# Altium PCB Q8_V2.4_Brd.PcbDoc
Units mil, origin at the board's own origin, x right, y up, seen from the top; angles counter-clockwise.
Board outline 4724.41 x 1358.27 mil, 2 copper layers (L1, L2), stack 62.756 mil thick; 53 components, 21 nets, 158 pads, 55 vias.
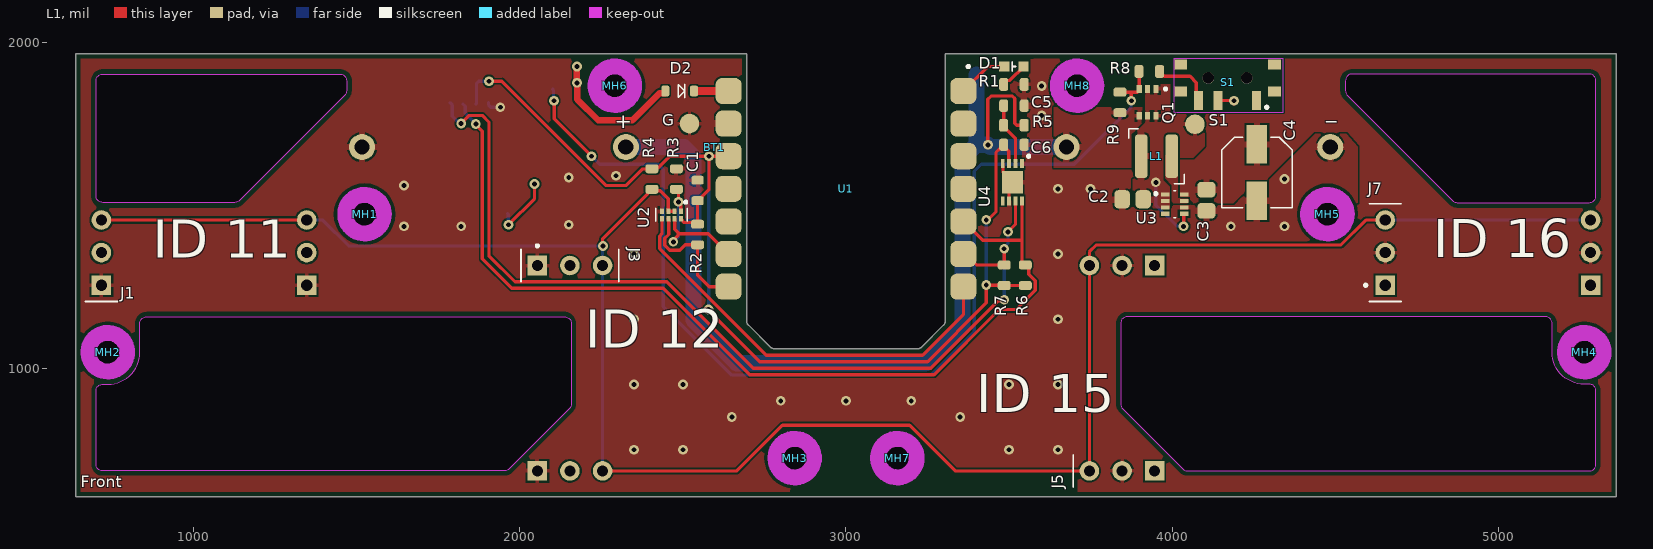
[diagram p0: L1 view]
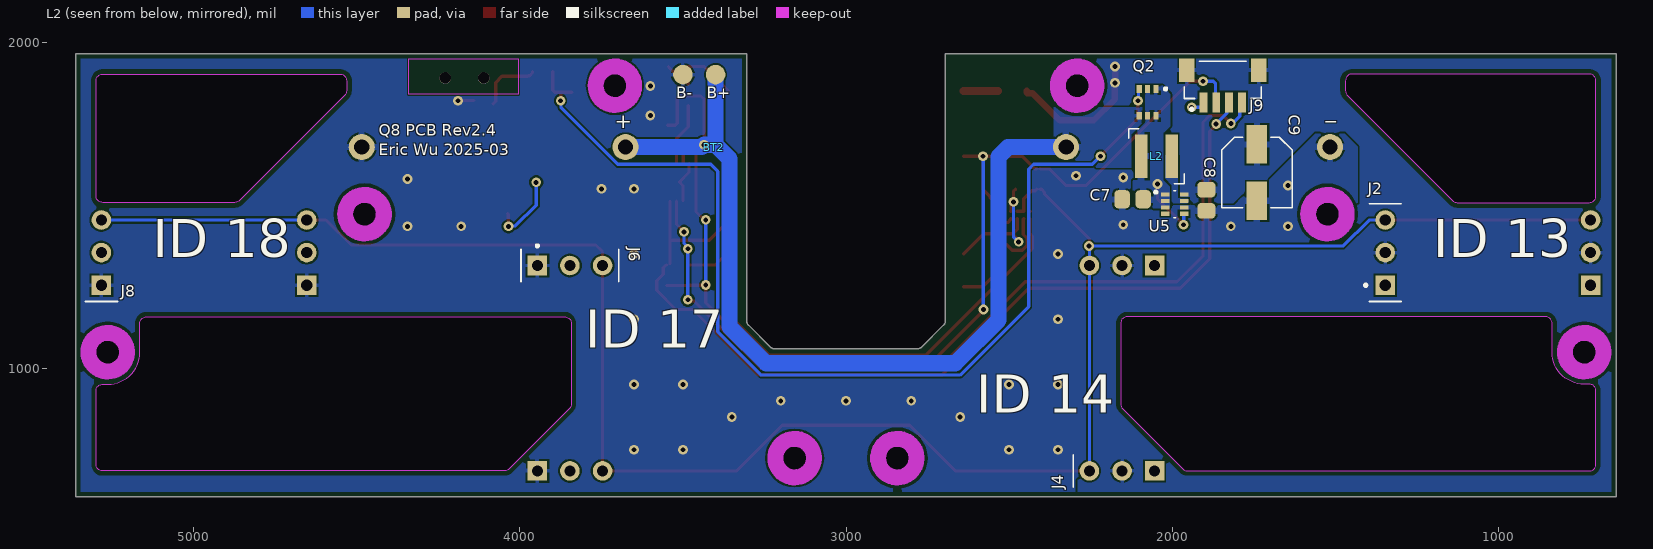
[diagram p1: L2 view, seen from below]
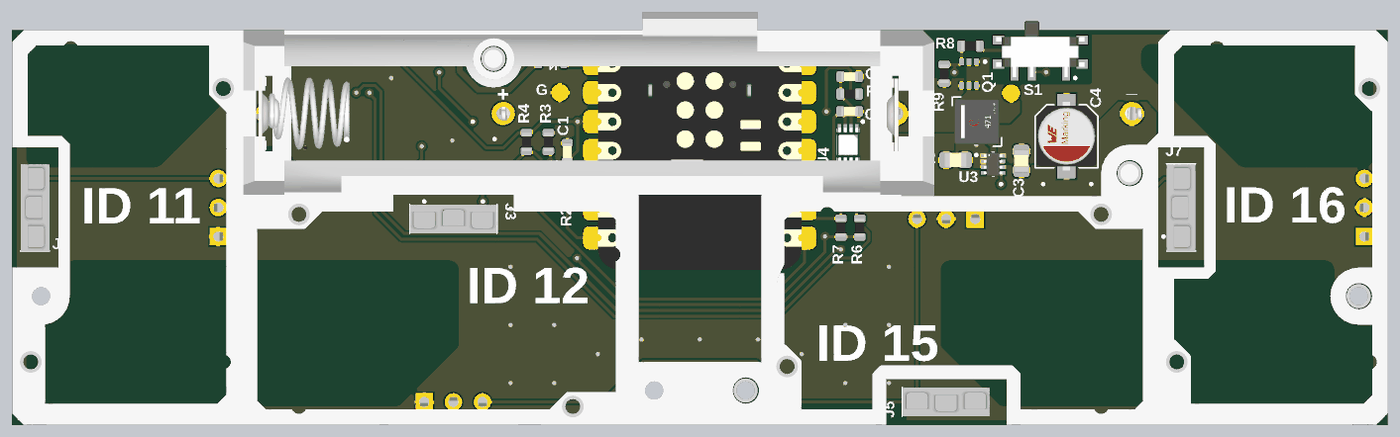
[diagram p2: 3D render of the assembled board from above, using the file's embedded part models]
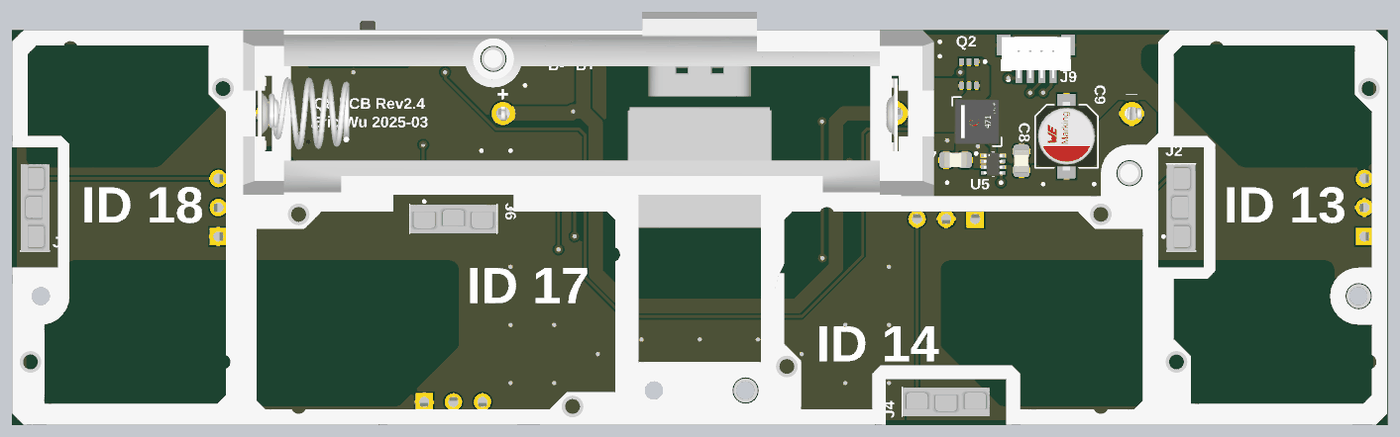
[diagram p3: 3D render of the assembled board from below, using the file's embedded part models]

## Layer stack, top to bottom
Top Solder: solder mask 0.1, Solder Resist, Dk 1
L1: signal copper 1.378
Core: dielectric 60, FR-4, Dk 4.6
L2: signal copper 1.378
Bottom Solder: solder mask 0.1, Solder Resist, Dk 1

## Board outline
637.8,606.3 637.8,1964.57 2695.04,1964.57 2695.04,1145.95 ccw(c2714.72,1145.95) 2700.8,1132.03 2767.62,1065.21 ccw(c2781.54,1079.13) 2781.54,1059.45 3218.46,1059.45 ccw(c3218.46,1079.13) 3232.38,1065.21 3299.2,1132.03 ccw(c3285.28,1145.95) 3304.96,1145.95 3304.96,1964.57 5362.2,1964.57 5362.2,606.3
cut-out: 700.79,704.72 700.79,931.1 cw(c720.47,931.1) 720.47,950.79 736.22,950.79 ccw(c736.22,1049.21) 834.65,1049.21 834.65,1137.8 cw(c854.33,1137.8) 854.33,1157.48 2137.8,1157.48 cw(c2137.8,1137.8) 2157.48,1137.8 2157.48,890.04 cw(c2137.8,890.04) 2151.71,876.12 1966.4,690.8 cw(c1952.48,704.72) 1952.48,685.04 720.47,685.04 cw(c720.47,704.72)
cut-out: 3848.29,876.12 4033.6,690.8 ccw(c4047.52,704.72) 4047.52,685.04 5279.53,685.04 ccw(c5279.53,704.72) 5299.21,704.72 5299.21,931.1 ccw(c5279.53,931.1) 5279.53,950.79 5263.78,950.79 cw(c5263.78,1049.21) 5165.35,1049.21 5165.35,1137.8 ccw(c5145.67,1137.8) 5145.67,1157.48 3862.2,1157.48 ccw(c3862.2,1137.8) 3842.52,1137.8 3842.52,890.04 ccw(c3862.2,890.04)
cut-out: 720.47,1507.87 cw(c720.47,1527.56) 700.79,1527.56 700.79,1881.89 cw(c720.47,1881.89) 720.47,1901.57 1448.82,1901.57 cw(c1448.82,1881.89) 1468.5,1881.89 1468.5,1850.67 cw(c1448.82,1850.67) 1462.74,1836.75 1139.62,1513.64 cw(c1125.7,1527.56) 1125.7,1507.87
cut-out: 4531.5,1850.67 ccw(c4551.18,1850.67) 4537.26,1836.75 4860.38,1513.64 ccw(c4874.3,1527.56) 4874.3,1507.87 5279.53,1507.87 ccw(c5279.53,1527.56) 5299.21,1527.56 5299.21,1881.89 ccw(c5279.53,1881.89) 5279.53,1901.57 4551.18,1901.57 ccw(c4551.18,1881.89) 4531.5,1881.89

## Design rules (kind name [scope] priority, off if disabled: settings)
BoardOutlineClearance [All] p1: gap=15 ignorepadtopadclearanceinfootprint=FALSE
Clearance Clearance_Polygon [InNamedPolygon('DXL_PWR_L01_P012') vs InNamedPolygon('GND_L01_P004')or InNamedPolygon('GND_L02_P007')or InNamedPolygon('GND_L02_P011')or InNamedPolygon('VBAT_L01_P002')or InNamedPolygon('V_SW_L01_P000')or InNamedPolygon('NETL1_2_L01_P001')or InComponent('BT1')or InComponent('BT2')] p1 off: gap=12 ignorepadtopadclearanceinfootprint=FALSE
Clearance MH [InComponent('MH1') or InComponent('MH2') or InComponent('MH3') or InComponent('MH4') or InComponent('MH5') or InComponent('MH6')] p2: gap=6 ignorepadtopadclearanceinfootprint=TRUE except(0: Arc-THPad Arc-Hole Track-THPad Track-Hole SMDPad-THPad SMDPad-Hole THPad-THPad THPad-Hole Via-Hole Fill-Hole Poly-Hole Region-Hole Text-Hole; 10: Arc-Fill Arc-Poly Arc-Region Track-Fill Track-Poly Track-Region SMDPad-Fill SMDPad-Poly SMDPad-Region THPad-Fill THPad-Poly THPad-Region Via-Fill Via-Poly Via-Region)
Clearance [All] p3: gap=6 ignorepadtopadclearanceinfootprint=TRUE except(0: Arc-Hole Track-Hole SMDPad-Hole THPad-Hole Via-Hole Fill-Hole Poly-Hole Region-Hole Text-Hole)
ComponentClearance TPClearance [All] p1: gap=0 collisioncheckmode=3 verticalgap=0 showdistances=FALSE
ComponentClearance BatteryHolderClearance [HasFootprint('BAT_1017')] p2: gap=0 collisioncheckmode=3 verticalgap=0 showdistances=FALSE
ComponentClearance [All] p3: gap=1 collisioncheckmode=3 verticalgap=1 showdistances=FALSE
DiffPairsRouting [All] p1: maxlimit=393.7 minlimit=6 mostfreqgap=8 substack1={5B090592-959A-4967-A4CA-3CA2C6813C9B} toplayer_{5b090592-959a-4967-a4ca-3ca2c6813c9b}_minwidth=15 toplayer_{5b090592-959a-4967-a4ca-3ca2c6813c9b}_maxwidth=15 toplayer_{5b090592-959a-4967-a4ca-3ca2c6813c9b}_prefwidth=15 bottomlayer_{5b090592-959a-4967-a4ca-3ca2c6813c9b}_minwidth=15 bottomlayer_{5b090592-959a-4967-a4ca-3ca2c6813c9b}_maxwidth=15 bottomlayer_{5b090592-959a-4967-a4ca-3ca2c6813c9b}_prefwidth=15 toplayer_minwidth=6 toplayer_maxwidth=15 toplayer_prefwidth=8 bottomlayer_minwidth=6 bottomlayer_maxwidth=15 bottomlayer_prefwidth=8 substack2={5987D7F1-27FD-464D-A34F-EA1102BFA283} toplayer_{5987d7f1-27fd-464d-a34f-ea1102bfa283}_minwidth=15 toplayer_{5987d7f1-27fd-464d-a34f-ea1102bfa283}_maxwidth=15 toplayer_{5987d7f1-27fd-464d-a34f-ea1102bfa283}_prefwidth=15 bottomlayer_{5987d7f1-27fd-464d-a34f-ea1102bfa283}_minwidth=15 bottomlayer_{5987d7f1-27fd-464d-a34f-ea1102bfa283}_maxwidth=15 bottomlayer_{5987d7f1-27fd-464d-a34f-ea1102bfa283}_prefwidth=15 maxuncoupledlength=500
HoleSize [All] p1: absolutevalues=TRUE maxlimit=265 minlimit=13 maxpercent=80.000 minpercent=20.000
HoleToHoleClearance [All] p1: gap=10 allowstackedmicrovias=FALSE
MinimumAnnularRing [All] p1: minimumring=7
MinimumSolderMaskSliver [All] p1: minsoldermaskwidth=0
PlaneClearance [All] p1: clearance=10
PlaneConnect [All] p1: planeconnectstyle=Direct reliefexpansion=16 reliefentries=4 reliefconductorwidth=6 reliefairgap=6
PolygonConnect PolygonConnect_LocalG [All vs HasFootprint('SOTFL50P160X60-8N')] p1: connectstyle=Direct reliefconductorwidth=10 reliefentries=4 polygonreliefangle="90 Angle" airgapwidth=10
PolygonConnect PolygonConnect_NoRelief [InNet('NetL1_2')or InNet('NetL2_2')] p2: connectstyle=Direct reliefconductorwidth=10 reliefentries=4 polygonreliefangle="90 Angle" airgapwidth=10
PolygonConnect PolygonConnect_HighCurrent [HasFootprint('LINK NO') or  InComponent('BT1') or InComponent('BT2') or InComponent('U1') or  InComponent('C2') or InComponent('C3') or InComponent('C4') or InComponent('C5') or InComponent('C7') or InComponent('C8') or InComponent('C9') or  InComponent('L1') or InComponent('L2')] p3: thpad.connectstyle=Relief thpad.reliefconductorwidth=20 thpad.reliefentries=4 thpad.polygonreliefangle="90 Angle" thpad.airgapwidth=6 smdpad.connectstyle=Relief smdpad.reliefconductorwidth=20 smdpad.reliefentries=4 smdpad.polygonreliefangle="90 Angle" smdpad.airgapwidth=6 via.connectstyle=Direct via.reliefconductorwidth=10 via.reliefentries=4 via.polygonreliefangle="90 Angle" via.airgapwidth=10
PolygonConnect [All] p4: thpad.connectstyle=Relief thpad.reliefconductorwidth=12 thpad.reliefentries=4 thpad.polygonreliefangle="90 Angle" thpad.airgapwidth=6 smdpad.connectstyle=Relief smdpad.reliefconductorwidth=12 smdpad.reliefentries=4 smdpad.polygonreliefangle="90 Angle" smdpad.airgapwidth=6 via.connectstyle=Direct via.reliefconductorwidth=12 via.reliefentries=4 via.polygonreliefangle="90 Angle" via.airgapwidth=6
RoutingCorners [All] p1: cornerstyle=45-Degree minsetback=49.21 maxsetback=49.21
RoutingVias [All] p1: holewidth=15 width=30 viastyle="Through Hole" minholewidth=13 minwidth=27 maxholewidth=100 maxwidth=114
SilkToSilkClearance [All] p1: silktosilkclearance=0
SilkToSolderMaskClearance [IsPad] p1: minsilkscreentomaskgap=6 clearancetoexposedcopper=TRUE
SolderMaskExpansion Tented_Vias [isVia] p1: expansion=4 istentingtop=TRUE
SolderMaskExpansion [All] p2: expansion=2.95 istentingtop=FALSE
SupplyNets "Schematic Supply Nets_7" [InNet('V_SW2')] p1: voltage=0.000
SupplyNets "Schematic Supply Nets_1" [InNet('DXL_P2')] p2: voltage=0.000
SupplyNets "Schematic Supply Nets_6" [InNet('GND')] p3: voltage=0.000
SupplyNets "Schematic Supply Nets_5" [InNet('DXL_PWR')] p4: voltage=0.000
SupplyNets "Schematic Supply Nets_4" [InNet('V_SW')] p5: voltage=0.000
SupplyNets "Schematic Supply Nets_3" [InNet('VBAT')] p6: voltage=0.000
SupplyNets "Schematic Supply Nets" [InNet('+3.3V')] p7: voltage=0.000
Width [All] p1: maxlimit=50 minlimit=6 preferedwidth=10 substack1={5B090592-959A-4967-A4CA-3CA2C6813C9B} toplayer_{5b090592-959a-4967-a4ca-3ca2c6813c9b}_maxwidth=400 toplayer_{5b090592-959a-4967-a4ca-3ca2c6813c9b}_prefwidth=8 bottomlayer_{5b090592-959a-4967-a4ca-3ca2c6813c9b}_maxwidth=400 bottomlayer_{5b090592-959a-4967-a4ca-3ca2c6813c9b}_prefwidth=8 substack2={5987D7F1-27FD-464D-A34F-EA1102BFA283} toplayer_{5987d7f1-27fd-464d-a34f-ea1102bfa283}_maxwidth=400 toplayer_{5987d7f1-27fd-464d-a34f-ea1102bfa283}_prefwidth=8 bottomlayer_{5987d7f1-27fd-464d-a34f-ea1102bfa283}_maxwidth=400 bottomlayer_{5987d7f1-27fd-464d-a34f-ea1102bfa283}_prefwidth=8
20 further rules are at their usual default settings.

## Components (designator, comment, footprint, x,y, rotation, side; value= is the part's Value field where it differs from the comment)
B+ "Test_Point" Test_Point_1.5mm 3400,1900 r180 bottom
B- "Test_Point" Test_Point_1.5mm 3500,1900 r180 bottom
BT1 "1017" BAT_1017 2596,1678 r0 top locked
BT2 "1017" BAT_1017 3405,1678 r180 bottom locked
C1 "0.1uF" CAPC1608X90N 2545,1545 r270 top
C2 "10uF" CAPC2012X145N 3879,1518 r180 top
C3 "10uF" CAPC2012X145N 4105,1515 r270 top
C4 "47uF" WCAP-ASLI_D5H5.5 4260,1600 r90 top
C5 "1uF" CAPC1608X90N 3515,1805 r0 top
C6 "1uF" CAPC1608X90N 3515,1685 r0 top value=10nF
C7 "10uF" CAPC2012X145N 2121,1518 r0 bottom
C8 "10uF" CAPC2012X145N 1895,1515 r270 bottom
C9 "47uF" WCAP-ASLI_D5H5.5 1740,1600 r90 bottom
D1 "LTST-C190KRKT" LED-LTST-C190KRKT 3515,1925 r180 top value=Red
D2 "NSR0320MW2T1G" ONSC-SOD-323-2-477-02_V 2490,1850 r180 top
G "Test_Point" Test_Point_1.5mm 2520,1750 r90 top
J1 "215297-3" TE_215297-3 716.54,1354.33 r90 top
J2 "215297-3" TE_215297-3 1346.46,1354.33 r90 bottom
J3 "215297-3" TE_215297-3 2153.54,1314.96 r0 top
J4 "215297-3" TE_215297-3 2153.54,685.04 r0 bottom
J5 "215297-3" TE_215297-3 3846.46,685.04 r180 top
J6 "215297-3" TE_215297-3 3846.46,1314.96 r180 bottom
J7 "215297-3" TE_215297-3 4653.54,1354.33 r90 top
J8 "215297-3" TE_215297-3 5283.46,1354.33 r90 bottom
J9 "BM04B-SRSS-TBT(LF)(SN)" FP-BM04B-SRSS-TBT_LF_SN-MFG 1845,1884 r180 bottom
L1 "0.47 uH" FP-XGL4020-MFG#1 3952,1650 r0 top value=0.47uH
L2 "0.47 uH" FP-XGL4020-MFG#2 2048,1650 r180 bottom value=0.47uH
MH1 "Mounting Hole" "Mounting Hole Non Plated M2 4mm Ring" 1523.62,1472.44 r0 top
MH2 "Mounting Hole" "Mounting Hole Non Plated M2 4mm Ring" 736.22,1049.21 r0 top
MH3 "Mounting Hole" "Mounting Hole Non Plated M2 4mm Ring" 2842.52,724.41 r0 top
MH4 "Mounting Hole" "Mounting Hole Non Plated M2 4mm Ring" 5263.78,1049.21 r0 top
MH5 "Mounting Hole" "Mounting Hole Non Plated M2 4mm Ring" 4476.38,1472.44 r0 top
MH6 "Mounting Hole" "Mounting Hole Non Plated M2 4mm Ring" 2291.34,1866.14 r0 top
MH7 "Mounting Hole" "Mounting Hole Non Plated M2 4mm Ring" 3157.48,724.41 r0 top
MH8 "Mounting Hole" "Mounting Hole Non Plated M2 4mm Ring" 3708.66,1866.14 r0 top
Q1 "MCH6351-TL-W" ONSC-MCPH-6_V 3925,1815 r270 top
Q2 "MCH6351-TL-W" ONSC-MCPH-6_V 2075,1815 r270 bottom
R1 "200" RESC1608X45N 3515,1870 r0 top
R2 "10K" RESC1608X45N 2545,1410 r270 top
R3 "10K" RESC1608X45N 2480,1580 r90 top
R4 "10K" RESC1608X45N 2405,1580 r270 top
R5 "1K" RESC1608X45N 3515,1745 r180 top
R6 "10K" RESC1608X45N 3550,1285 r270 top
R7 "10K" RESC1608X45N 3485,1285 r270 top
R8 "22" RESC1608X45N 3930,1910 r180 top
R9 "1K" RESC1608X45N 3840,1815 r90 top
S1 "Test_Point" Test_Point_1.5mm 4070,1748 r0 top
S1 "EG1215AA" SW_EG1215AA 4170,1890 r180 top value=0
U1 "Seeed-XIAO-ESP32C3" XIAO-ESP32C3-14P-2.54-21X17.8MM 3000,1550 r0 top
U2 "74LVC2G241GT,115" NXP_74LVC2G241GS 2465,1470 r270 top
U3 "TPS610333DRLR" SOTFL50P160X60-8N 4008,1503.16 r0 top
U4 "MAX17043G+T" FP-T823-1-MFG 3510,1570 r270 top
U5 "TPS610333DRLR" SOTFL50P160X60-8N 1992,1503.16 r180 bottom

## Footprints (in the part's own frame and the unit in brackets; to place one, negate y for a bottom-side part, rotate by r counter-clockwise, add the part's x,y. Pads: shape width x height; smd on the part's side, far side on the other; paste and mask are expansions set on the pad)
BAT_1017 [mil]
  round 80 hole 46.85: N(-1080,0) P(1080,0)
  body extent -1957,-1072 2767,351, height 611
CAPC1608X90N [mm] "Chip Capacitor, 2-Leads, Body 1.7x0.9mm, IPC Medium Density"
  rrect50% 0.7x0.95 smd: 1(-0.8,0) 2(0.8,0)
  body extent -0.8,-0.41 0.8,0.41, height 0.92
CAPC2012X145N [mil]
  rrect50% 47.47x55.44 smd paste+0: 1(-32.53,0) 2(32.53,0)
  body extent -39,-25 39,25, height 58
FP-BM04B-SRSS-TBT_LF_SN-MFG [mm]
  rect 0.6x1.55 smd paste+0 mask+0: 1(-1.5,-1.775) 2(-0.5,-1.775) 3(0.5,-1.775) 4(1.5,-1.775)
  rect 1.2x1.8 smd paste+0 mask+0: 5(-2.8,0.75) 6(2.8,0.75)
  silkscreen extent -3,-2.39 3,1.45, body extent -3,-2.15 3,1.45, height 4.33
FP-T823-1-MFG [mm]
  rect 0.7x0.3 smd paste+0 mask+0: 1(-1.45,0.75) 2(-1.45,0.25) 3(-1.45,-0.25) 4(-1.45,-0.75) 5(1.45,-0.75) 6(1.45,-0.25) 7(1.45,0.25) 8(1.45,0.75)
  rect 1.75x1.63 smd paste+0 mask+0: 9(0,0)
  silkscreen extent -2.13,1.17 -1.93,1.37, body extent -1.9,-1.12 1.9,1.12, height 0.25
FP-XGL4020-MFG#1 [mm]
  rrect50% 0.98x3.4 smd paste+0 mask+0: 1(-1.185,0) 2(1.185,0)
  silkscreen extent -2.15,-2.15 2.15,2.15, body extent -2.25,-2.25 2.25,2.25, height 0.25
FP-XGL4020-MFG#2 [mm]
  rect 0.98x3.4 smd paste+0 mask+0: 1(-1.185,0) 2(1.185,0)
  silkscreen extent -2.15,-2.15 2.15,2.15, body extent -2,-2 2,2, height 2.1
LED-LTST-C190KRKT [mm]
  rect 0.8x0.8 smd paste+0 mask+0: 1(-0.75,0) 2(0.75,0)
  silkscreen extent -0.13,-0.38 0.13,0.38, body extent -1.25,-0.55 1.25,0.55, height 0.25
"Mounting Hole Non Plated M2 4mm Ring" [mm]
  round 0 hole 2.1 unplated mask+1: 1(0,0)
  Keep-Out Layer circle w0.254: c0,0 r1.005
  Keep-Out Layer circle w0.254: c0,0 r1.204
  Keep-Out Layer circle w0.254: c0,0 r1.4
  Keep-Out Layer circle w0.254: c0,0 r1.6
  Keep-Out Layer circle w0.254: c0,0 r1.803
  Keep-Out Layer circle w0.254: c0,0 r2
NXP_74LVC2G241GS [mm]
  rect 0.43x0.31 smd: 1(-0.29,0.75)
  rect 0.42x0.31 smd: 2(-0.295,0.25) 3(-0.295,-0.25) 4(-0.295,-0.75) 5(0.295,-0.75) 6(0.295,-0.25) 7(0.295,0.25) 8(0.295,0.75)
  silkscreen extent -1.1,-1.22 0.5,1.22, body extent -0.48,-0.89 0.48,0.91, height 0.4
ONSC-MCPH-6_V [mm] "SOT23, 6-Leads, Body 2x1.6mm, Pitch 0.65mm"
  rect 0.6x0.4 smd: 1(-1.05,0.65) 2(-1.05,0) 3(-1.05,-0.65) 4(1.05,-0.65) 5(1.05,0) 6(1.05,0.65)
  silkscreen extent -1.15,1.3 -0.95,1.5, body extent -0.8,-1 0.8,1, height 0.9
ONSC-SOD-323-2-477-02_V [mm] "SOD, 2-Leads, Body 1.7x1.25mm"
  rrect50% 0.63x0.83 smd: 1(-1.115,0) 2(1.115,0)
  silkscreen extent -0.4,-0.51 -0.4,0.51, body extent -0.85,-0.63 0.85,0.63, height 1.06
RESC1608X45N [mm] "RES 0603 (1608 metric) Nominal"
  rrect50% 0.7x1 smd paste+0: 1(-0.8,0) 2(0.8,0)
  body extent -0.8,-0.4 0.8,0.4, height 0.45
SOTFL50P160X60-8N [mm]
  rect 0.66x0.32 smd mask+0.05: 1(-0.735,0.75) 2(-0.735,0.25) 3(-0.735,-0.25) 4(-0.735,-0.75) 5(0.735,-0.75) 6(0.735,-0.25) 7(0.735,0.25) 8(0.735,0.75)
  silkscreen extent -1.57,-1.05 0.09,1.05, body extent -0.8,-1.05 0.8,1.05, height 0.6
SW_EG1215AA [mm]
  rect 0.7x1.5 smd: 1(-2.25,1.75) 2(0.75,1.75) 3(2.25,1.75)
  rect 1x0.8 smd: S1(-3.65,1.05) S2(-3.65,-1.05) S3(3.65,-1.05) S4(3.65,1.05)
  round 0.9 hole 0.9 unplated: ""(-1.5,0) ""(1.5,0)
  silkscreen extent -3.15,2.19 -2.95,2.39, body extent -3.85,-2.7 3.85,2.2, height 1.4
TE_215297-3 [mil]
  rect 60x60 hole 34: 1(-100,0)
  round 60 hole 34: 2(0,0) 3(100,0)
  silkscreen extent -150,-50 -150,50, body extent -150,-50 150,50, height 276
Test_Point_1.5mm [mil]
  round 60 smd paste-99999: 1(0,0)
WCAP-ASLI_D5H5.5 [mm] "Aluminium Electrolytic V-Chip SMT Capacitors, 5x5.5mm"
  rect 3x1.6 smd: 1(2.2,0) 2(-2.2,0)
  silkscreen extent -2.75,-2.75 2.75,2.75, body extent -3,-2.65 3,2.65, height 5.5
XIAO-ESP32C3-14P-2.54-21X17.8MM [mil]
  rrect50% 80x80 smd paste-99999: 1(360,300) 2(360,200) 3(360,100) 4(360,0) 5(360,-100) 6(360,-200) 7(360,-300) 8(-360,-300) 9(-360,-200) 10(-360,-100) 11(-360,0) 12(-360,100) 13(-360,200) 14(-360,300)
  silkscreen extent 371,371 379,379, body extent -350,-410 350,475, height 49

## Part data
B+ B- G S1: library part 30099, "Test Point Generic", Sorted_Value=0, ID=30099
BT1 BT2: Package=None, Availability=Unavailable, MP=1017, Price=None
C1: library part 30006, "CAP CER 0.1uF ±10% 25V X7R 0603 (1608 Metric)", Sorted_Value=1E-6, ID=30006
C2 C3 C7 C8: library part 30012, "CAP CER 10uF ±10% 25V X7R 0805 (2012 Metric)", Sorted_Value=1E-5, ID=30012
C4 C9: library part CMP-03913-53914570-1, "865080342006 WCAP-ASLI Aluminum Electrolytic Capacitors", Capacitance=47µF, Case/Package=Radial, ESR (Equivalent Series Resistance)=832.685mΩ, Insulation Resistance=2.12766MΩ, Leakage Current=7.52µA, Max Operating Temperature=105°C, Min Operating Temperature=-55°C, Ripple Current=195mA, Tolerance=20%, Voltage Rating=16V, Diameter=5mm, Height=5.5mm, Height - Seated (Max)=5.5118mm, Impedance=1.05Ω, Length=5.5mm, Life (Hours)=2000hours, Mount="Surface Mount", NexarPartId=53914570, Packaging="Tape & Reel (TR)", Polarity=Polar, REACH SVHC=Unknown, Ripple Current (AC)=195mA, RoHS=Compliant, Voltage Rating (DC)=16V, Width=5.3mm
C5: library part 30006, "CAP CER 1uF ±10% 25V X7R 0603 (1608 Metric)", Sorted_Value=1E-6, ID=30006
C6: library part 30006, "CAP CER 10nF ±10% 25V X7R 0603 (1608 Metric)", Sorted_Value=1E-6, ID=30006
D1: library part 30031, "LED CLEAR CHIP SMD RED", Sorted_Value=0, ID=30031
D2: library part CMP-1055-00466-1, "Schottky Barrier Diode, 2-Pin SOD-323, Pb-Free, Tape and Reel", Manufacturer="On Semiconductor", ComponentLink1Description="Manufacturer URL", ComponentLink1URL=http://www.onsemi.com/, ComponentLink2Description=Datasheet, ComponentLink2URL=http://www.onsemi.cn/pub_link/Collateral/NSR0320MW2T1-D.PDF, ComponentLink3Description="Package Specification", ComponentLink3URL=http://www.onsemi.com/pub_link/Collateral/477-02.PDF.1, Configuration=Single, DatasheetVersion="Rev. 4", IFSM Max (A)=5, Mounting Technology="Surface Mount", PackageDescription="2-Pin SOD, Body 1.7 x 1.25 mm", PackageReference=SOD-323-2-477-02, PackageVersion="Rev. H, 03/2007", Packing="Tape and Reel", PartNumber=NSR0320MW2T1G, RoHS=TRUE
J9: library part CMP-17439-000370-1, "CONN HEADER SMD 4POS 1MM", Color=Natural, Flammability Rating="UL94 V-0", Package Quantity=1, Voltage Rating=50V, Connector Type=Header, Contact Finish - Mating=TIN, Contact Material="Copper Alloy", Contact Plating=Tin, Contact Shape=Square, Contact Type="Male Pin", Fastening Type=Pull, Insulation Color=Natural, Insulation Material=Nylon, Lead Free="Lead Free", Mated Stacking Heights=4.9mm, Mount="Surface Mount", Number of Positions=4, Number of Rows=1, Packaging="Cut Tape", Pitch=0.039inch, Series=SR, Termination=Solder
L1 L2: library part CMP-11268-000025-1, "Shielded Power Inductors / XGL4020-471MEC", Ambient Temperature Range High=+125°C, Ambient Temperature Range Low=-40°C, Inductance=0.47uH, Manufacturer=Coilcraft, Manufacturer Part Number=XGL4020-471MEC, Package=XGL4020, Rms Current=19.7A, Saturation Current=6.1A, Self Resonant Frequency=95MHz, Series Resistance=5.1mΩ, Test Frequency=1MHz, Tolerance=20%, Automotive=Yes, Automotive Grade="Grade 1", Category=Ind, ComponentLink2Description=Datasheet, ComponentLink2URL=https://www.coilcraft.com/pdfs/xgl4020.pdf, Composition=Wirewound, Core Material=Composite, Device Class L1="Passive Components", Device Class L2=Inductors, Device Class L3="Fixed Inductors", Height=2.1mm, Lead Free=Yes, Octopart=https://octopart.com/xgl4020-471mec-coilcraft-99681030, RoHS=TRUE, Shielding=true, Standoff Height=0.19mm
MH1 MH2 MH3 MH4 MH5 MH6 MH7 MH8: "Mounting hole, no connection"
Q1 Q2: library part CMP-1058-00608-1, "P-Channel Power MOSFET -12 V, -9 A, 16.9 mOhm, Single, 6-Pin MCPH, Pb-Free, Tape and Reel", Manufacturer="On Semiconductor", Package Type="SC-88FL / MCPH-6", Channel Polarity="P Channel", Ciss Typ (pF)=2200, ComponentLink1Description="Manufacturer URL", ComponentLink1URL=http://www.onsemi.com/, ComponentLink2Description=Datasheet, ComponentLink2URL=http://www.onsemi.com/pub_link/Collateral/ENA2198-D.PDF, ComponentLink3Description="Package Specification", ComponentLink3URL=http://www.onsemi.com/pub_link/Collateral/ENA1601-D.PDF, Configuration=Single, Coss Typ (pF)=350, Crss Typ (pF)=320, ID Max (A)=9, Mounting Technology="Surface Mount", PackageDescription="6-Pin Small Outline Transistor, Body 2 x 1.6 mm, Pitch 0.65 mm", PackageReference=MCPH-6, Packing="Tape and Reel", PartNumber=MCH6351-TL-W, PD Max (W)=1.5, RoHS=Pb-Free, V(BR)DSS Min (V)=12, VGS Max (V)=10, VGS(th) Max (V)=1.3
R1 R5 R9: library part 30002, "RES 1K Ohm ±1% 1/10W 0603 (1608 Metric)", Sorted_Value=1000, ID=30002
R2 R3 R4 R6 R7: library part 30002, "RES 10K Ohm ±1% 1/10W 0603 (1608 Metric)", Sorted_Value=1000, ID=30002
R8: library part 30002, "RES 22 Ohm ±1% 1/10W 0603 (1608 Metric)", Sorted_Value=1000, ID=30002
S1: library part 30023, "SWITCH SLIDE SPDT 25mA 24V", Package=None, Sorted_Value=0, Check_prices=https://www.snapeda.com/parts/EG1215AA/E-Switch/view-part/?ref=eda, ID=30023, MF=E-Switch, MP=EG1215AA, Purchase-URL=https://pricing.snapeda.com/search/part/EG1215AA/?ref=eda, SnapEDA_Link=https://www.snapeda.com/parts/EG1215AA/E-Switch/view-part/?ref=snap
U1: "- ESP32-C3 Transceiver; 802.11 a/b/g/n (Wi-Fi, WiFi, WLAN), BluetoothÂ® Smart 4.x Low Energy (BLE) 2.4GHz Evaluation Board", Package=None, Availability="In Stock", Check_prices=https://www.snapeda.com/parts/113991054/Seeed+Technology+Co.%252C+Ltd/view-part/?ref=eda, MF="Seeed Technology Co., Ltd", MP=113991054, Price=None, Purchase-URL=https://pricing.snapeda.com/search/part/113991054/?ref=eda, SnapEDA_Link=https://www.snapeda.com/parts/113991054/Seeed+Technology+Co.%252C+Ltd/view-part/?ref=snap
U2: library part 30024, "IC BUFFER NON-INVERT 5.5V 8XSON", Package="XSON-8 Nexperia", Sorted_Value=0, Arrow_Electronics-Purchase-URL=https://snapeda.com/shop?store=Arrow+Electronics&id=1232762, Arrow_Europe-Purchase-URL=https://snapeda.com/shop?store=Arrow+Europe&id=1232762, Availability=Good, DigiKey-Purchase-URL=https://snapeda.com/shop?store=DigiKey&id=1232762, ID=30024, MF=Nexperia, Mouser-Purchase-URL=https://snapeda.com/shop?store=Mouser&id=1232762, MP=74LVC2G08GT,115, Price=None, SnapEDA_Link=https://www.snapeda.com/parts/74LVC2G08GT,115/Nexperia/view-part/1232762/?ref=snap
U3 U5: "IC REG BOOST ADJ 5A SOT583"
U4: library part CMP-05715-000066-1, "IC 2-WIRE FG MODEL GAUGE LO BATT", Manufacturer=Maxim, Max Supply Voltage=4.5V, Min Supply Voltage=2.5V, Nominal Supply Current=50uA, Package=T823-1, Temperature="-20°C to +70°C", Temperature Range High=+70°C, Temperature Range Low=-20°C, Automotive=No, Category=IC, ComponentLink2Description=Datasheet, ComponentLink2URL=https://datasheets.maximintegrated.com/en/ds/MAX17043-MAX17044.pdf, Device Class L1="Integrated Circuits (ICs)", Device Class L2="Power Management ICs", Device Class L3="Battery Management", Digikey Description="IC 2-WIRE FG MODEL GAUGE LO BATT", Footprint Url=https://pdfserv.maximintegrated.com/land_patterns/90-0091.PDF, Height=0.8mm, Lead Free=Yes, Manufacturer Part Number=MAX17043G+T, Mouser Description="Battery Management Over Volt Protector Ideal Diode", Number Of Cells=1, Octopart=https://octopart.com/max17043g%2Bt-maxim+integrated-43979038, RoHS=TRUE, Standoff Height=0mm

## Via types
v1: diameter 30, hole 15, L1 to L2, tented both sides, 55 vias

## Nets (pads, with @x,y where several pads share a name; then routed paths per layer and width w, separated by ;. In a path a pad name is that pad's centre, name@x,y a point inside that pad or via, vN(x,y) a via of type N, cw(c..) or ccw(c..) an arc to the next point about the centre after c; other vN are vias at no path point)
+3.3V: C1.2 C6.1 J9.2 R2.1 R4.1 R6.2 R7.2 U1.12 U2.8 U4.3 | length 3441.2
  L1 w10: v1(1905,1880) 1945,1880 2265,1560 2325,1560 2376.17,1611.17 2404.68,1611.17 R4.1 ; R4.1@2415,1611.5 2420.91,1611.5 2459.41,1650 v1(2580,1650) ; U2.8 2494.53,1456.22 2504.25,1446.5 R2.1@2545,1446.5 ; R2.1 R2.1@2545,1446.5 ; v1(2578.5,1180) 2578.5,1176.5 2735,1020 3250,1020 3430,1200 v1(3430,1255) 3430.75,1254.25 3484.25,1254.25 R7.2 R6.2 ; U1.12 v1(2580,1650) ; v1(3430,1455) 3435.41,1455 3460,1479.59 3460,1661.5 3470.97,1672.47 3474.87,1672.47 C6.1@3483.5,1681.1 ; C6.1 C6.1@3483.5,1681.1 ; U4.3 3499.25,1627.99 3499.25,1665.44 3493.39,1671.3 3493.31,1671.3 C6.1@3483.5,1681.1 ; R2.1@2545,1446.5 C1.2 2548.9,1513.5 2557.53,1522.14 2557.53,1526.04 2580,1548.5 v1(2580,1650)
  L2 w10: J9.2@1865,1810 1867.34,1812.34 1867.34,1874.14 1873.2,1880 v1(1905,1880) ; v1(2578.5,1180) 2579.25,1180.75 2579.25,1649.25 v1(2580,1650) ; v1(3430,1255) v1(3430,1455)
DXL_P2: C8.1 C9.1 D2.2 J1.2 J2.2 J3.2 J4.2 J9.5 J9.6 U5.8 | length 437.6
  L1 w20: v1(2175,1925) v1(2175,1875) 2175.96,1874.04 2175.96,1824.04 2240,1760 2345,1760 2428.66,1843.66 2443.7,1843.66 2446.1,1846.06 D2.2
DXL_PWR: C3.1 C4.1 J5.2 J6.2 J7.2 J8.2 U3.8
GND: B-.1 BT1.N BT2.N C1.1 C2.2 C3.2 C4.2 C5.2 C6.2 C7.2 C8.2 C9.2 G.1 J1.1 J2.1 J3.1 J4.1 J5.1 J6.1 J7.1 J8.1 J9.1 R1.2 R3.2 S1.2 U1.13 U2.4 U3.6 U4.1 U4.4 U4.6 U4.9 U5.6 | length 227.7
  L1 w10: U2.4@2434.67,1480.81 U2.4 ; U4.4 3481.38,1626.18 3481.38,1600.98 3510,1572.36 U4.9 3500.16,1560.16 U4.6 ; S1.2 v1@4188.9,1821.1 ; v1@4188.9,1811.1 v1@4190,1810
  L2 w10: J9.1 1904.06,1806.81 1910.87,1800 v1(1940,1800)
  other v1: 2350,750 2500,750 3500,750 3650,750 2650,850 3350,850 2800,900 3000,900 3200,900 2350,950 2500,950 3500,950 3650,950 2350,1150 3650,1150 2350,1350 3650,1350 1645,1435 1820,1435 4180,1435 4345,1435 2150,1440 3650,1550 3750,1550 1645,1560 4345,1580 2150,1585 2295,1590 3600,1775 4190,1820 3600,1865
NetC5_1: C5.1 R5.2 U4.2 | length 193
  L1 w10: C5.1 R5.2 3483.5,1740.12 3519.84,1703.78 U4.2
NetD1_1: D1.1 R1.1 | length 86
  L1 w10: R1.1 3483.5,1873.67 3492.14,1882.31 3501.84,1882.31 D1.1
NetD1_2: D1.2 U1.1 | length 156.5
  L1 w10: U1.1 3435,1925 D1.2
NetD2_1: D2.1 U1.14 | length 106.1
  L1 w25: D2.1 U1.14
NetL1_2: L1.2 U3.7
NetL2_2: L2.2 U5.7
NetQ1_3: Q1.3 Q2.3 R8.2 R9.2 | length 3227.2
  L1 w10: v1(2105,1820) 2105,1765 v1(2220,1650) ; R9.2 3873.5,1846.5 3875,1845 v1(3875,1820) ; 3875,1846.5 3893.5,1846.5 3898.96,1851.95 3898.96,1909.55 R8.2
  L2 w10: Q2.3@2100.44,1855.45 2102.8,1853.09 2102.8,1822.2 v1(2105,1820) ; v1(2220,1650) 2245,1625 2425,1625 2440,1610 2440,1189.09 2650.09,979 3259.91,979 3393.3,1112.39 3393.3,1603.3 3415,1625 3700,1625 3873.79,1798.79 3873.79,1818.79 v1(3875,1820)
NetR8_1: R8.1 S1.3 | length 197.4
  L1 w10: R8.1 3961.5,1905.12 3970.13,1896.48 3974.65,1896.48 3976.13,1895 4055,1895 4074.37,1875.63 4074.37,1818.15 S1.3@4081.42,1811.1
RXD: R2.2 U1.8 U2.6 | length 404
  L1 w10: U2.6 2456.26,1457.28 2456.26,1409.95 2444.5,1398.19 2444.5,1376.65 2459.73,1361.42 2490.36,1361.42 2507.44,1378.5 R2.2 2545,1285 2580,1250 U1.8
SCL: J9.4 R7.1 U1.6 U4.7 | length 2910.9
  L1 w10: v1(1820,1750) 1820,1750.5 1844.5,1775 1885,1775 1905,1755 1905,1345 1985,1265 2450,1265 2715,1000 3260,1000 3466.29,1206.29 3481.29,1206.29 v1(3485,1210) ; U1.6 3367.35,1350 3400.86,1316.5 R7.1 v1(3485,1366.22) ; v1(3496.8,1418.2) 3519.68,1441.09 U4.7@3519.68,1512.91
  L2 w10: J9.4 1792.76,1807.31 1792.76,1772.24 1815,1750 v1(1820,1750) ; v1(3485,1210) 3485,1371.64 3496.8,1383.43 v1(3496.8,1418.2)
SDA: J9.3 R6.1 U1.5 U4.8 | length 2936
  L1 w10: v1(1865,1749) 1865,1746.57 1885,1726.57 1885,1335 1975,1245 2440,1245 2705,980 3270,980 3470,1180 3521.48,1180 3580.69,1239.2 3580.69,1267.8 3560.77,1287.72 3560.77,1307.86 3552.14,1316.5 R6.1 ; U1.5 3360.86,1450 3418.63,1392.22 3486.01,1392.22 ; 3486.03,1392.2 3539.37,1392.2 ; R6.1@3539.37,1320.63 3539.37,1392.2 ; U4.8@3539.37,1512.91 3539.37,1392.2
  L2 w10: J9.3@1825.54,1809.46 1832.13,1802.87 1832.13,1781.87 v1(1865,1749)
TTL: J1.3 J2.3 J3.3 J4.3 J5.3 J6.3 J7.3 J8.3 R4.2 U2.2 U2.3 | length 6471.1
  L1 w10: J1.3 J2.3 ; J4.3 2665.04,685.04 2805,825 3195,825 3334.96,685.04 J5.3 J6.3 3746.46,1356.46 3767.7,1377.7 4517.7,1377.7 4594.33,1454.33 J7.3 ; v1@2253.54,1375 2253.54,1397.05 2391.48,1534.99 2391.48,1539.87 2400.12,1548.5 R4.2 ; R4.2@2415,1548.47 2419.54,1543.93 2431.07,1543.93 2455.16,1519.84 U2.3 U2.2
  L2 w10: J2.3@1350,1457.87 J2.3 1395,1454.33 ; 1395.67,1454.33 1475,1375 2253.54,1375 J3.3 J4.3 ; J7.3 J8.3
  other v1: 2255,1375
TX_EN: R3.1 U1.9 U2.1 U2.7 | length 465.6
  L1 w10: v1(2470.5,1387.42) 2470.5,1392.83 2485,1407.33 2485,1410 ; U2.7 2474.84,1425.57 2485,1415.41 2485,1410 ; R3.1 2486.5,1542 2486.5,1504.72 2493.43,1497.8 2493.43,1482.52 U2.1 ; U1.9 2577.5,1412.5 2487.5,1412.5 2485,1410
  L2 w10: v1(2470.5,1387.42) 2486.5,1403.42 v1(2486.5,1510.13)
TXD: U1.7 U2.5 | length 1298.9
  L1 w10: U2.5 2435.47,1411.79 2428.5,1404.82 2428.5,1366.77 2755.82,1039.45 3234.9,1039.45 3360,1164.55 U1.7
V_SW: C2.1 L1.1 Q1.1 Q1.2 Q1.5 Q1.6 S1.1@4070,1748 U3.1 U3.2 U3.3 U3.5 | length 221
  L1 w10: v1(4035,1435) 4035.94,1435.94 4035.94,1472.38 U3.5@4036.87,1473.31
  L2 w10: v1(3950,1570) 3950,1500 4013.79,1436.21 4033.79,1436.21 v1(4035,1435)
V_SW2: C7.1 L2.1 Q2.1 Q2.2 Q2.5 Q2.6 U5.1 U5.2 U5.3 U5.5 | length 192.6
  L1 w10: v1(1965,1440) 2045,1520 v1(2045,1565)
  L2 w10: U5.5 1964.03,1472.66 1964.03,1440.97 v1(1965,1440)
VBAT: B+.1 BT1.P BT2.P Q1.4 Q2.4 R5.1 R9.1 | length 3062.3
  L1 w10: v1(3435,1685) 3435,1825 3444.7,1834.7 3510.3,1834.7 3517.72,1827.28 3517.72,1750.86 3523.57,1745 R5.1 ; BT1.P@3670,1684 BT1.P
  L2 w50: BT2.P 2503.21,1678 2532.5,1648.71 2532.5,1147.5 2665,1015 3245,1015 3357.3,1127.3 3357.3,1642.3 3400,1685 ; B+.1 3400,1685 ; BT1.P 3442,1678 v1(3435,1685) 3400,1685
pads on no net: MH1.1 MH2.1 MH3.1 MH4.1 MH5.1 MH6.1 MH7.1 MH8.1 S1. S1.1@4258.58,1821.1 S1.S1 S1.S2 S1.S3 S1.S4 U1.2 U1.3 U1.4 U1.10 U1.11 U3.4 U4.5 U5.4

## Polygon pours and split planes (outlines as drawn)
GND on L1 "GND_L01_P048" (solid, remove dead copper, pour order 48): 620,580 620,1980 5380,1980 5380,580
DXL_PWR on L1 "DXL_PWR_L01_P047" (solid, remove dead copper, pour order 47): 5380,1980 5380,580 3710,580 3710,1980
GND on L1 "GND_L01_P038" (solid, remove dead copper, pour order 38): 3875,1491 3540,1491 3540,1535 3540,1705 3561.52,1705 3561.18,1785 3535.52,1785 3534.61,1890 3875,1890
VBAT on L1 "VBAT_L01_P037" (solid, pour order 37): 3908,1800 3908,1749.82 3875,1716.82 3875,1615 3637,1615 3637,1800
GND on L1 "GND_L01_P046" (solid, pour order 46): 4000,1500 4052,1500 4190,1500 4263,1573 4293,1573 4439,1719 4533.73,1719 4569,1679.21 4569,1450 4510,1391 4000,1391
V_SW on L1 "V_SW_L01_P035" (solid, pour order 35): 3917,1870 3995,1870 3995,1780 4100,1780 4100,1680 4065,1645 3973.18,1645 3973.18,1576.82 3992,1555.99 3992,1490 3925,1490 3879.75,1490 3879.75,1714.75 3917,1752
NetL1_2 on L1 "NETL1_2_L01_P036" (solid, pour order 36): 4049.71,1517.43 4049.71,1509.42 4046.58,1505.92 4004.08,1505.92 3998.21,1512.63 3998.21,1561.6 3979.54,1582.23 3979.54,1653.41 4017.91,1653.41 4017.91,1528.7 4026.09,1519.3 4047.84,1519.3
GND on L2 "GND_L02_P045" (solid, remove dead copper, pour order 45): 5380,1980 5380,580 620,580 620,1980
DXL_P2 on L2 "DXL_P2_L02_P044" (solid, remove dead copper, pour order 44): 620,580 620,1980 2290,1980 2290,580
VBAT on L2 "VBAT_L02_P041" (solid, pour order 41): 2092,1800 2092,1749.82 2125,1716.82 2125,1615 2363,1615 2363,1800
GND on L2 "GND_L02_P042" (solid, remove dead copper, pour order 42): 2127.01,1445 2440,1445 2440,1610 2127.01,1610
GND on L2 "GND_L02_P043" (solid, pour order 43): 2000,1500 1948,1500 1810,1500 1737,1573 1707,1573 1560.65,1719.35 1471.35,1719.35 1431,1679 1431,1450 1490,1391 2000,1391
NetL2_2 on L2 "NETL2_2_L02_P040" (solid, pour order 40): 1950.29,1517.43 1950.29,1509.42 1953.42,1505.92 1995.92,1505.92 2001.79,1512.63 2001.79,1561.6 2020.46,1582.23 2020.46,1653.41 1982.1,1653.41 1982.1,1528.7 1973.91,1519.3 1952.16,1519.3
V_SW2 on L2 "V_SW2_L02_P039" (solid, pour order 39): 2083,1870 2032.95,1870 2005,1839.78 2005,1741.82 2026.82,1720 2026.82,1576.82 2008,1555.99 2008,1490 2075,1490 2120.25,1490 2120.25,1714.75 2083,1752

## Keep-outs
L1:
  rectangle: 4005,1785 4340,1949.27
L2:
  rectangle: 4005,1840 4340,1949.27

## Silkscreen, mask and mechanical layers (free items; w line width, h text height)
Top Overlay:
  lines w5: 2486.16,1830.41 2486.16,1869.59 2505.75,1850 2486.16,1830.41
  text "ID 16" at 4800,1302.22 h200
  text "ID 11" at 875,1300 h200
  text "ID 12" at 2200,1025 h200
  text "ID 15" at 3400,827.22 h200
  text "Front" at 653.09,622.23 h60
Bottom Overlay:
  lines w5: 1963.35,1565.35 1993.35,1565.35 ; 2102.65,1734.65 2132.65,1734.65
  text "Q8 PCB Rev2.4 / Eric Wu 2025-03" at 4432.33,1640 h60
  text "ID 13" at 1200,1302.22 h200
  text "ID 18" at 5125,1302.31 h200
  text "ID 17" at 3800,1025 h200
  text "ID 14" at 2600,825 h200
Mechanical 1:
  circle w0.5: c1523.62,1472.44 r39.37
  circle w0.5: c2291.14,1866.14 r39.37
  circle w0.5: c3708.86,1866.14 r39.37
  circle w0.5: c4481.03,1678.05 r29.53
  circle w0.5: c1518.97,1678.05 r29.53
  circle w0.5: c736.22,1049.21 r39.37
  circle w0.5: c4476.38,1472.44 r39.37
  circle w0.5: c2842.52,724.41 r39.37
  circle w0.5: c5263.78,1049.21 r39.37
  circle w0.5: c3157.48,724.41 r39.37
  lines w0.5: 637.8,606.3 5362.2,606.3 5362.2,1964.57 3304.96,1964.57 3304.96,1145.95 cw(c3285.28,1145.95) 3299.19,1132.03 3232.38,1065.21 cw(c3218.46,1079.13) 3218.46,1059.45 2781.54,1059.45 cw(c2781.54,1079.13) 2767.62,1065.21 2700.8,1132.03 cw(c2714.72,1145.95) 2695.04,1145.95 2695.04,1964.57 637.8,1964.57 637.8,606.3 ; 700.79,704.72 ccw(c720.47,704.72) 720.47,685.04 1952.48,685.04 ccw(c1952.48,704.72) 1966.4,690.81 2151.71,876.12 ccw(c2137.8,890.04) 2157.48,890.04 2157.48,1137.8 ccw(c2137.8,1137.8) 2137.8,1157.48 854.33,1157.48 ccw(c854.33,1137.8) 834.65,1137.8 834.65,1049.21 cw(c736.22,1049.21) 736.22,950.79 720.47,950.79 ccw(c720.47,931.1) 700.79,931.1 700.79,704.72 ; 700.79,1527.56 ccw(c720.47,1527.56) 720.47,1507.87 1125.7,1507.87 ccw(c1125.7,1527.56) 1139.62,1513.64 1462.74,1836.75 ccw(c1448.82,1850.67) 1468.5,1850.67 1468.5,1881.89 ccw(c1448.82,1881.89) 1448.82,1901.57 720.47,1901.57 ccw(c720.47,1881.89) 700.79,1881.89 700.79,1527.56 ; 3842.52,890.04 ccw(c3862.2,890.04) 3848.29,876.12 4033.6,690.8 ccw(c4047.52,704.72) 4047.52,685.04 5279.53,685.04 ccw(c5279.53,704.72) 5299.21,704.72 5299.21,931.1 ccw(c5279.53,931.1) 5279.53,950.79 5263.78,950.79 cw(c5263.78,1049.21) 5165.35,1049.21 5165.35,1137.8 ccw(c5145.67,1137.8) 5145.67,1157.48 3862.2,1157.48 ccw(c3862.2,1137.8) 3842.52,1137.8 3842.52,890.04 ; 4531.5,1850.67 ccw(c4551.18,1850.67) 4537.26,1836.75 4860.38,1513.64 ccw(c4874.3,1527.56) 4874.3,1507.87 5279.53,1507.87 ccw(c5279.53,1527.56) 5299.21,1527.56 5299.21,1881.89 ccw(c5279.53,1881.89) 5279.53,1901.57 4551.18,1901.57 ccw(c4551.18,1881.89) 4531.5,1881.89 4531.5,1850.67
Mechanical 2:
  circle w0.5: c5263.78,1049.21 r39.37
  circle w0.5: c5283.46,1354.33 r10.08
  circle w0.5: c4653.54,1354.33 r10.08
  circle w0.5: c1933.07,1700.79 r10.08
  circle w0.5: c4419.29,1728.35 r10.08
  circle w0.5: c3846.46,1314.96 r10.08
  circle w0.5: c3846.46,685.04 r10.08
  circle w0.5: c3000,724.41 r39.37
  circle w0.5: c1557.09,1492.13 r39.37
  circle w0.5: c3000,1275.59 r39.37
  circle w0.5: c2153.54,685.04 r10.08
  circle w0.5: c736.22,1049.21 r39.37
  circle w0.5: c2153.54,1314.96 r10.08
  circle w0.5: c1580.71,1728.35 r10.08
  circle w0.5: c1346.46,1354.33 r10.08
  circle w0.5: c716.54,1354.33 r10.08
  circle w5: c3000,1275.59 r39.37
  circle w5: c3000,724.41 r39.37
  lines w0.5: 716.54,1275.59 716.54,1354.33 ; 1346.46,1275.59 1346.46,1354.33 ; 2074.8,685.04 2153.54,685.04 ; 2074.8,1314.96 2153.54,1314.96 ; 3846.46,685.04 3925.2,685.04 ; 3846.46,1314.96 3925.2,1314.96 ; 4653.54,1275.59 4653.54,1354.33 ; 5283.46,1275.59 5283.46,1354.33

## Text inside footprints (layer, text, board x,y; h text height)
BT1: Bottom Overlay "_" at 1496,1752.13 h80; Bottom Overlay "+" at 3656,1720.64 h80
BT2: Top Overlay "_" at 4505,1752.13 h80; Top Overlay "+" at 2345,1720.64 h80